# Altium PCB HIVE_SIGHT.PcbDoc (part 1 of 4) (continued)
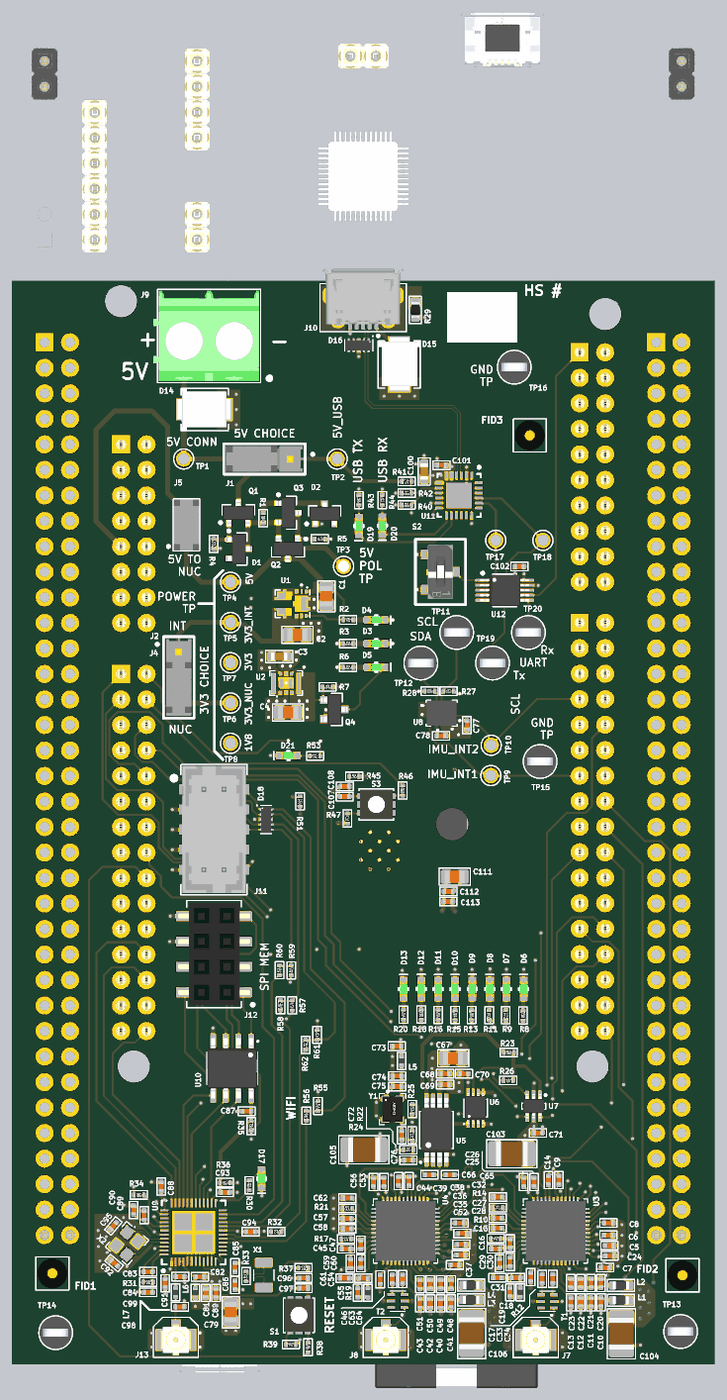
[diagram p7: 3D render of the assembled board from above, using the file's embedded part models]
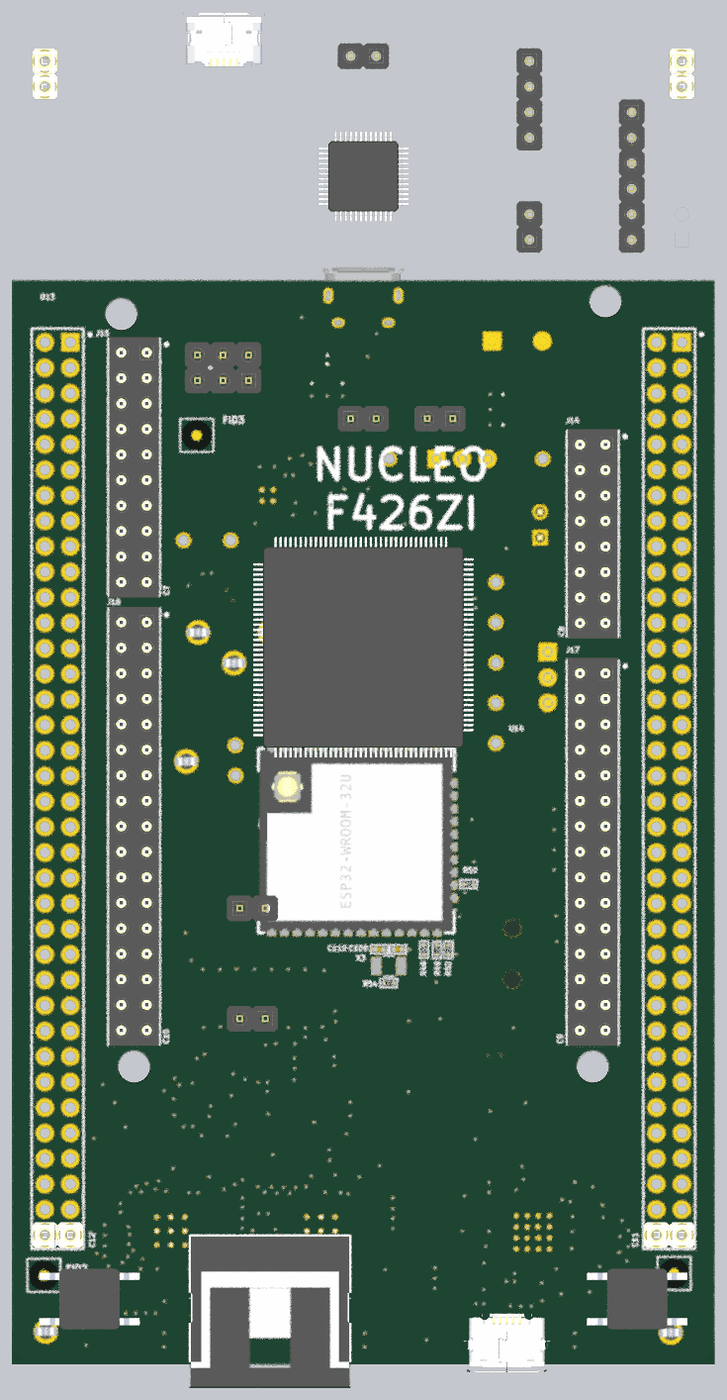
[diagram p8: 3D render of the assembled board from below, using the file's embedded part models]

## Layer stack, top to bottom
Top Solder: solder mask 0.3937, Solder Resist, Dk 3.5
Top: signal copper 1.378
Dielectric 1: prepreg 4.8031, PP-006, Dk 4.2
GND: plane copper 1.378, net GND
Dielectric 2: core 45.2756, Core-009, Dk 4.2
PWR: plane copper 1.378, net (Multiple Nets)
Dielectric 3: prepreg 4.8031, PP-006, Dk 4.2
Bottom: signal copper 1.378
Bottom Solder: solder mask 0.3937, Solder Resist, Dk 3.5

## Board outline
2.34,79.16 ccw(c81.08,79.16) 81.08,0.42 80.92,0.38 2679.35,0.38 2679.35,0.58 ccw(c2679.35,79.32) 2758.09,79.32 2758.09,79.12 2758.09,4167.09 ccw(c2679.35,4167.09) 2679.35,4245.83 2679.35,4246.04 80.93,4246.04 ccw(c80.93,4167.3) 2.19,4167.3

## Design rules (kind name [scope] priority, off if disabled: settings)
BoardOutlineClearance BoardOutlineClearance_NUCLEO [HasFootprint('MOD_NUCLEO-F429ZI')] p1: gap=15 ignorepadtopadclearanceinfootprint=FALSE
BoardOutlineClearance BoardOutlineClearance-Silk [(OnLayer('Bottom Overlay')) OR (OnLayer('Top Overlay'))] p2: gap=3.94 ignorepadtopadclearanceinfootprint=FALSE
BoardOutlineClearance BoardOutlineClearance-Fiducials [InComponentClass('Fiducials')] p3: gap=3.94 ignorepadtopadclearanceinfootprint=FALSE
BoardOutlineClearance BoardOutlineClearance-MouseBites [InComponentClass('MouseBites')] p4: gap=10 ignorepadtopadclearanceinfootprint=FALSE except(0: Arc-SplitContinuation Track-SplitContinuation SMDPad-SplitContinuation THPad-OutlineEdge THPad-CavityEdge THPad-CutoutEdge THPad-SplitBarrior THPad-SplitContinuation Via-SplitContinuation Fill-SplitContinuation Poly-SplitContinuation Region-OutlineEdge Region-CavityEdge Region-CutoutEdge Region-SplitBarrior Region-SplitContinuation Text-SplitContinuation; 20: Arc-OutlineEdge Track-OutlineEdge SMDPad-OutlineEdge Via-OutlineEdge Fill-OutlineEdge Poly-OutlineEdge Text-OutlineEdge)
BoardOutlineClearance [All] p5: gap=19.68 ignorepadtopadclearanceinfootprint=FALSE
Clearance Clearance_1 [IsVia and (NOT InAnyComponent) vs IsSMTPin Or IsThruPin  or IsVia] p1: gap=0 ignorepadtopadclearanceinfootprint=FALSE except(2: SMDPad-Via THPad-Via; 6: Via-Via)
Clearance [All] p2: gap=5 ignorepadtopadclearanceinfootprint=FALSE
ComponentClearance [All] p1: gap=4 collisioncheckmode=3 verticalgap=4 showdistances=FALSE
DiffPairsRouting [All] p1: maxlimit=8 minlimit=8 mostfreqgap=8 toplayer_minwidth=4 toplayer_maxwidth=4 toplayer_prefwidth=4 bottomlayer_minwidth=4 bottomlayer_maxwidth=4 bottomlayer_prefwidth=4 maxuncoupledlength=500
HoleSize [All] p1: absolutevalues=TRUE maxlimit=236.22 minlimit=9.84 maxpercent=80.000 minpercent=20.000
HoleToHoleClearance HoleToHoleClearance_1 [InAnyComponent vs InAnyComponent] p1: gap=8 allowstackedmicrovias=TRUE
HoleToHoleClearance HoleToHoleClearance_Via [IsVia vs IsVia] p2: gap=18 allowstackedmicrovias=TRUE
HoleToHoleClearance [All] p3: gap=18 allowstackedmicrovias=TRUE
MatchedLengths MatchedLengths_CLK [InNetClass('CLK_DW')] p1: tolerance=0.98 checknetsindiffpair=FALSE checkdiffpairvsdiffpair=TRUE checkxsignals=TRUE checkothers=TRUE
MatchedLengths DiffMatching_32k [InDifferentialPair('32K_X')] p2: tolerance=9.84 checknetsindiffpair=TRUE checkdiffpairvsdiffpair=FALSE checkxsignals=FALSE checkothers=FALSE
MatchedLengths DiffMatching_WithinPair [Not InDifferentialPair('32K_X')] p3: tolerance=1 checknetsindiffpair=TRUE checkdiffpairvsdiffpair=FALSE checkxsignals=FALSE checkothers=FALSE
MinimumSolderMaskSliver [All] p1: minsoldermaskwidth=3.94
PlaneClearance [All] p1: clearance=8
PlaneConnect [All] p1: planeconnectstyle=Direct reliefexpansion=20 reliefentries=4 reliefconductorwidth=10 reliefairgap=10
PolygonConnect [All] p1: connectstyle=Direct reliefconductorwidth=10 reliefentries=4 polygonreliefangle="90 Angle" airgapwidth=10
RoutingVias [All] p1: holewidth=19.68 width=39.37 viastyle="Through Hole" minholewidth=11.81 minwidth=19.68 maxholewidth=11.81 maxwidth=19.68
SilkToSilkClearance [All] p1: silktosilkclearance=3.94
SilkToSolderMaskClearance [IsPad] p1: minsilkscreentomaskgap=0.39 clearancetoexposedcopper=FALSE
SolderMaskExpansion SolderMaskExpansion_1 [IsVia AND (NOT InAnyComponent)] p1: expansion=4 istentingtop=TRUE
SolderMaskExpansion [All] p2: expansion=2 istentingtop=FALSE
Width [All] p1: maxlimit=1000 minlimit=8 preferedwidth=8 minimp=50.000000 maximp=50.000000 favimp=50.000000
21 further rules are at their usual default settings.

## Classes and differential pairs
component class HIVE_SIGHT_TITLE: FID1 FID2 FID3
net class CLK_DW: NetC65_1 NetC66_1
component class WROOM: C107 C108 C109 C110 C111 C112 C113 D21 R45 R46 R47 R48 R49 R50 R51 R52 R53 R54 S3 U14 X3
component class USB: C100 C101 C102 D19 D20 R40 R41 R42 R43 R44 S2 TP17 TP18 TP19 TP20 U11 U12
component class WIRELESS: C79 C80 C81 C82 C83 C84 C85 C86 C87 C88 C89 C90 C91 C92 C93 C94 C95 C96 C97 C98 C99 D17 D18 J11 J12 J13 L6 L7 R30 R31 R32 R33 R34 R35 R36 R37 R38 R39 R55 R56 R57 R58 R59 R60 R61 R62 S1 U9 U10 X1 X2
component class DECAWAVE: C5 C6 C7 C8 C9 C10 C11 C12 C13 C14 C15 C16 C17 C18 C19 C20 C21 C22 C23 C24 C25 C26 C27 C28 C29 C30 C31 C32 C33 C34 C103 C104 D6 D7 D8 D9 J7 L1 L2 R8 R9 R10 R11 R12 R13 R14 T1 U3
component class NUCLEO: J14 J15 J16 J17 U13
component class MISC: C65 C66 C67 C68 C69 C70 C71 C72 C73 C74 C75 C76 C77 C78 L5 R22 R23 R24 R25 R26 R27 R28 TP9 TP10 TP11 TP12 U5 U6 U7 U8 Y1
component class TOP: D14 D15 D16 J9 J10 MEC? R29 TP13 TP14 TP15 TP16
component class POWER: C1 C2 C3 C4 D1 D2 D3 D4 D5 J1 J2 J3 J4 J5 J6 Q1 Q2 Q3 Q4 R1 R2 R3 R4 R5 R6 R7 TP1 TP2 TP3 TP4 TP5 TP6 TP7 TP8 U1 U2
component class DECAWAVE: C35 C36 C37 C38 C39 C40 C41 C42 C43 C44 C45 C46 C47 C48 C49 C50 C51 C52 C53 C54 C55 C56 C57 C58 C59 C60 C61 C62 C63 C64 C105 C106 D10 D11 D12 D13 J8 L3 L4 R15 R16 R17 R18 R19 R20 R21 T2 U4
differential pair W_32K_X: +W_32K_X_P -W_32K_X_N
differential pair XTAL: +XTAL_P -XTAL_N
differential pair USB_D: +USB_D_P -USB_D_N
differential pair RFB: +RFB_P -RFB_N
differential pair RFA: +RFA_P -RFA_N
differential pair 32K_X: +32K_X_P -32K_X_N

## Components (designator, comment, footprint, x,y, rotation, side; value= is the part's Value field where it differs from the comment)
C1 "C2012X7R1E475K125AE" CAP_CER_0805 1235.6,3009.42 r90 top value=4.7uF
C2 "GRM21BR61C106KE15K" CAP_CER_0805 1121.93,2859.16 r180 top value=10uF
C3 "CL10A475MA8NQNC" CAP_CER_0603 1050.2,2773.62 r180 top value=4.7uF
C4 "GRM21BR61C106KE15K" CAP_CER_0805 1084.65,2554.13 r0 top value=10uF
C5 "CGA2B3X7R1E104K050BB" CAP_CER_0402 2345.87,464.41 r0 top value=100nF
C6 "CGA2B3X7R1E104K050BB" CAP_CER_0402 2341.98,504.8 r0 top value=100nF
C7 "CGA2B3X7R1E104K050BB" CAP_CER_0402 2329.92,377.93 r0 top value=100nF
C8 "CGA2B3X7R1E104K050BB" CAP_CER_0402 2342.45,552.93 r0 top value=100nF
C9 "CGA2B3X7R1E104K050BB" CAP_CER_0402 2147.95,720.97 r90 top value=100nF
C10 "CGA2B3X7R1E104K050BB" CAP_CER_0402 2313.11,242.01 r90 top value=100nF
C11 "CL05B103KB5NFNC" CAP_CER_0402 2273.58,242.01 r90 top value=10nF
C12 "CC0402KRX7R9BB102" CAP_CER_0402 2233.48,242.01 r90 top value=1nF
C13 "CC0402JRNPO9BN120" CAP_CER_0402 2194.75,242.01 r90 top value=12pF
C14 "CGA2B3X7R1E104K050BB" CAP_CER_0402 2107.02,720.83 r90 top value=100nF
C15 "CC0402JRNPO9BN270" CAP_CER_0402 1899.86,451.76 r180 top value=27pF
C16 "C0402C129C5GACTU" CAP_CER_0402 1956.79,473.19 r270 top value=1.2pF
C17 "CGA2B3X7R1E104K050BB" CAP_CER_0402 2037.3,340.97 r270 top value=100nF
C18 "GRM1555C1H180GA01D" CAP_CER_0402 1979.85,338.35 r180 top value=18pF
C19 "CC0402KRX7R9BB821" CAP_CER_0402 1955.99,281 r90 top value=820pF
C20 "CGA2B3X7R1E104K050BB" CAP_CER_0402 2312.82,317.05 r270 top value=100nF
C21 "CL05B103KB5NFNC" CAP_CER_0402 2273.29,317.41 r270 top value=10nF
C22 "CC0402KRX7R9BB102" CAP_CER_0402 2233.19,317.22 r270 top value=1nF
C23 "CC0402JRNPO9BN120" CAP_CER_0402 2194.46,317.41 r270 top value=12pF
C24 "CGA2B3X7R1E104K050BB" CAP_CER_0402 2346.9,424.37 r0 top value=100nF
C25 "CGA2B3X7R1E104K050BB" CAP_CER_0402 2050.59,713.3 r90 top value=100nF
C26 "CGA2B3X7R1E104K050BB" CAP_CER_0402 2009.63,713.3 r90 top value=100nF
C27 "CGA2B3X7R1E104K050BB" CAP_CER_0402 1907.48,572.17 r180 top value=100nF
C28 "CGA2B3X7R1E104K050BB" CAP_CER_0402 1907.48,532.31 r180 top value=100nF
C29 "CGA2B3X7R1E104K050BB" CAP_CER_0402 1915.43,394.88 r270 top value=100nF
C30 "CGA2B3X7R1E104K050BB" CAP_CER_0402 1956.79,399.86 r270 top value=100nF
C31 "CGA2B3X7R1E104K050BB" CAP_CER_0402 1906.73,338.35 r180 top value=100nF
C32 "CC0402JRNPO9BN101" CAP_CER_0402 1908.7,654.51 r0 top value=100pF
C33 "CC0402JRNPO9BN120" CAP_CER_0402 2082.32,333.78 r90 top value=12pF
C34 "CC0402JRNPO9BN120" CAP_CER_0402 2124.02,333.66 r90 top value=12pF
C35 "CGA2B3X7R1E104K050BB" CAP_CER_0402 1764.9,468.84 r0 top value=100nF
C36 "CGA2B3X7R1E104K050BB" CAP_CER_0402 1769.24,511.67 r0 top value=100nF
C37 "CGA2B3X7R1E104K050BB" CAP_CER_0402 1739.67,388.44 r0 top value=100nF
C38 "CGA2B3X7R1E104K050BB" CAP_CER_0402 1757.77,552.82 r0 top value=100nF
C39 "CGA2B3X7R1E104K050BB" CAP_CER_0402 1559.18,716.89 r90 top value=100nF
C40 "CGA2B3X7R1E104K050BB" CAP_CER_0402 1684.21,237.73 r90 top value=100nF
C41 "CL05B103KB5NFNC" CAP_CER_0402 1724.93,238.22 r90 top value=10nF
C42 "CC0402KRX7R9BB102" CAP_CER_0402 1643.66,237.9 r90 top value=1nF
C43 "CC0402JRNPO9BN120" CAP_CER_0402 1602.78,237.9 r90 top value=12pF
C44 "CGA2B3X7R1E104K050BB" CAP_CER_0402 1518.25,716.89 r90 top value=100nF
C45 "CC0402JRNPO9BN270" CAP_CER_0402 1312.9,451.68 r180 top value=27pF
C46 "CGA2B3X7R1E104K050BB" CAP_CER_0402 1446.63,331.85 r270 top value=100nF
C47 "C0402C129C5GACTU" CAP_CER_0402 1370.58,467.96 r270 top value=1.2pF
C48 "CGA2B3X7R1E104K050BB" CAP_CER_0402 1725.1,312.89 r270 top value=100nF
C49 "CL05B103KB5NFNC" CAP_CER_0402 1684.21,312.63 r270 top value=10nF
C50 "CC0402KRX7R9BB102" CAP_CER_0402 1643.45,312.76 r270 top value=1nF
C51 "CC0402JRNPO9BN120" CAP_CER_0402 1602.78,312.38 r270 top value=12pF
C52 "CGA2B3X7R1E104K050BB" CAP_CER_0402 1762.61,427.81 r0 top value=100nF
C53 "CGA2B3X7R1E104K050BB" CAP_CER_0402 1461.49,713.3 r90 top value=100nF
C54 "GRM1555C1H180GA01D" CAP_CER_0402 1381.03,336.49 r180 top value=18pF
C55 "CC0402KRX7R9BB821" CAP_CER_0402 1358.57,279.64 r90 top value=820pF
C56 "CGA2B3X7R1E104K050BB" CAP_CER_0402 1420.53,713.3 r90 top value=100nF
C57 "CGA2B3X7R1E104K050BB" CAP_CER_0402 1317.25,569.92 r180 top value=100nF
C58 "CGA2B3X7R1E104K050BB" CAP_CER_0402 1317.91,530.56 r180 top value=100nF
C59 "CGA2B3X7R1E104K050BB" CAP_CER_0402 1329.8,394.02 r270 top value=100nF
C60 "CGA2B3X7R1E104K050BB" CAP_CER_0402 1370.58,394.66 r270 top value=100nF
C61 "CGA2B3X7R1E104K050BB" CAP_CER_0402 1306.73,336.49 r180 top value=100nF
C62 "CC0402JRNPO9BN101" CAP_CER_0402 1317.9,650.36 r0 top value=100pF
C63 "CC0402JRNPO9BN120" CAP_CER_0402 1494.58,332.55 r90 top value=12pF
C64 "CC0402JRNPO9BN120" CAP_CER_0402 1534.78,332.6 r90 top value=12pF
C65 "CL05B103KB5NFNC" CAP_CER_0402 1720.47,742.13 r180 top value=10nF
C66 "CL05B103KB5NFNC" CAP_CER_0402 1639.76,742.13 r0 top value=10nF
C67 "GRM21BR61C106KE15K" CAP_CER_0805 1733,1198.82 r180 top value=10uF
C68 "CL05A105KL5NRNC" CAP_CER_0402 1701.37,1138.54 r180 top value=1uF
C69 "CGA2B3X7R1E104K050BB" CAP_CER_0402 1701.37,1095.72 r180 top value=100nF
C70 "CGA2B3X7R1E104K050BB" CAP_CER_0402 1775.21,1138.54 r0 top value=100nF
C71 "CGA2B3X7R1E104K050BB" CAP_CER_0402 2066.11,905.81 r0 top value=100nF
C72 "CC0402KRX7R9BB102" CAP_CER_0402 1531.17,896.58 r90 top value=1nF
C73 "CL05A105KL5NRNC" CAP_CER_0402 1511.35,1246.09 r0 top value=1uF
C74 "CGA2B3X7R1E104K050BB" CAP_CER_0402 1513.16,1128.99 r0 top value=100nF
C75 "CL05B103KB5NFNC" CAP_CER_0402 1513.16,1087.48 r0 top value=10nF
C76 "CC0402CRNPO9BN3R0" CAP_CER_0402 1556.87,799.21 r0 top value=3pF
C77 "CGA2B3X7R1E104K050BB" CAP_CER_0402 1786.93,2504.66 r270 top value=100nF
C78 "CGA2B3X7R1E104K050BB" CAP_CER_0402 1685.56,2462.47 r0 top value=100nF
C79 "GRM21BR61C106KE15K" CAP_CER_0805 860.24,202.76 r90 top value=10uF
C80 "CL05A105KL5NRNC" CAP_CER_0402 802.17,278.54 r270 top value=1uF
C81 "CGA2B3X7R1E104K050BB" CAP_CER_0402 761.81,278.54 r270 top value=100nF
C82 "CGA2B3X7R1E104K050BB" CAP_CER_0402 738.87,341.81 r180 top value=100nF
C83 "C0402C332K5RACAUTO" CAP_CER_0402 536.11,361.99 r180 top value=3.3nF
C84 "CL05B103KB5NFNC" CAP_CER_0402 536.11,280.89 r0 top value=10nF
C85 "CC0402JRNPO9BN130" CAP_CER_0402 876.77,379.34 r270 top value=13pF
C86 "CC0402JRNPO9BN130" CAP_CER_0402 876.77,309.34 r90 top value=13pF
C87 "CGA2B3X7R1E104K050BB" CAP_CER_0402 922.36,990.96 r0 top value=100nF
C88 "CGA2B3X7R1E104K050BB" CAP_CER_0402 587.6,695.65 r270 top value=100nF
C89 "CC0402JRNPO9BN101" CAP_CER_0402 520.48,583.79 r270 top value=100pF
C90 "CL05A105KL5NRNC" CAP_CER_0402 478.95,603.76 r270 top value=1uF
C91 "CGA2B3X7R1E104K050BB" CAP_CER_0402 603.1,316.08 r90 top value=100nF
C92 "CC0402DRNPO9BN8R0" CAP_CER_0402 402.56,395.67 r320 top value=8pF
C93 "CL05A105KL5NRNC" CAP_CER_0402 837.48,672.99 r180 top value=1uF
C94 "CGA2B3X7R1E104K050BB" CAP_CER_0402 937.98,518.83 r180 top value=100nF
C95 "CC0402DRNPO9BN8R0" CAP_CER_0402 399.61,541.34 r50 top value=8pF
C96 "CL05A105KL5NRNC" CAP_CER_0402 1145.64,336.71 r0 top value=1uF
C97 "CGA2B3X7R1E104K050BB" CAP_CER_0402 1145.64,296.98 r0 top value=100nF
C98 "CC0402CRNPO9BN1R8" CAP_CER_0402 660.5,224.26 r180 top value=1.8pF
C99 "CC0402BRNPO9BN2R4" CAP_CER_0402 662.04,342.84 r180 top value=2.4pF
C100 "CL10A475MA8NQNC" CAP_CER_0603 1619.15,3499.07 r270 top value=4.7uF
C101 "CGA2B3X7R1E104K050BB" CAP_CER_0402 1687.01,3523.62 r0 top value=100nF
C102 "CGA2B3X7R1E104K050BB" CAP_CER_0402 1993.28,3126.94 r180 top value=100nF
C103 "C3225X7R1E226M250AB" CAP_CER_1210 1962.62,824.19 r0 top value=22uF
C104 "C3225X7R1E226M250AB" CAP_CER_1210 2393.25,118.1 r90 top value=22uF
C105 "C3225X7R1E226M250AB" CAP_CER_1210 1382.76,839.99 r0 top value=22uF
C106 "C3225X7R1E226M250AB" CAP_CER_1210 1805.62,119.57 r90 top value=22uF
C107 "CL05A105KL5NRNC" CAP_CER_0402 1307.31,2224.36 r0 top value=1uF
C108 "CGA2B3X7R1E104K050BB" CAP_CER_0402 1307.65,2264.52 r0 top value=100nF
C109 "CC0402JRNPO9BN130" CAP_CER_0402 1244.21,1625.85 r0 bottom value=13pF
C110 "CC0402JRNPO9BN130" CAP_CER_0402 1317.38,1625.85 r180 bottom value=13pF
C111 "GRM21BR61C106KE15K" CAP_CER_0805 1739.05,1910.58 r180 top value=10uF
C112 "CL05A105KL5NRNC" CAP_CER_0402 1714.78,1853.03 r180 top value=1uF
C113 "CGA2B3X7R1E104K050BB" CAP_CER_0402 1714,1813.49 r180 top value=100nF
D1 "BZX84-B3V6,215" DIO_ZENER_BZX84-B3V6,215 892.1,3195.42 r0 top value=3.6V
D2 "BZX84-B3V6,215" DIO_ZENER_BZX84-B3V6,215 1229,3333 r90 top value=3.6V
D3 "SML-D12P8WT86" LED_SML-D12P8WT86 1430.87,2824.48 r180 top value="560 nm (green)"
D4 "SML-D12P8WT86" LED_SML-D12P8WT86 1430.87,2917.32 r180 top value="560 nm (green)"
D5 "SML-D12P8WT86" LED_SML-D12P8WT86 1430.87,2731.64 r180 top value="560 nm (green)"
D6 "SML-D12P8WT86" LED_SML-D12P8WT86 2009.77,1470.08 r270 top value="560 nm (green)"
D7 "SML-D12P8WT86" LED_SML-D12P8WT86 1941.85,1469.69 r270 top value="560 nm (green)"
D8 "SML-D12P8WT86" LED_SML-D12P8WT86 1877.02,1469.69 r270 top value="560 nm (green)"
D9 "SML-D12P8WT86" LED_SML-D12P8WT86 1808.04,1470.44 r270 top value="560 nm (green)"
D10 "SML-D12P8WT86" LED_SML-D12P8WT86 1740.71,1469.69 r270 top value="560 nm (green)"
D11 "SML-D12P8WT86" LED_SML-D12P8WT86 1674.03,1469.69 r270 top value="560 nm (green)"
D12 "SML-D12P8WT86" LED_SML-D12P8WT86 1607.79,1470.44 r270 top value="560 nm (green)"
D13 "SML-D12P8WT86" LED_SML-D12P8WT86 1537.93,1470.08 r270 top value="560 nm (green)"
D14 "SMBJ5.0D-M3/H" TVS_SMBJ5.0D-M3/H 756,3742 r180 top value=5V
D15 "SMBJ5.0D-M3/H" TVS_SMBJ5.0D-M3/H 1521.14,3920.75 r90 top value=5V
D16 "DT1140-04LP-7" TVS_DATA_DT1140-04LP-7 1362.67,3993.88 r270 top value="5.5V @ 1mA (Reverse Standoff)"
D17 "SML-D12P8WT86" LED_SML-D12P8WT86 981.3,726.38 r90 top value="560 nm (green)"
D18 "DT1140-04LP-7" TVS_DATA_DT1140-04LP-7 998.72,2134.84 r0 top value="5.5V @ 1mA (Reverse Standoff)"
D19 "SML-D12P8WT86" LED_SML-D12P8WT86 1362.91,3285.63 r90 top value="560 nm (green)"
D20 "SML-D12P8WT86" LED_SML-D12P8WT86 1455,3286.99 r90 top value="560 nm (green)"
D21 "SML-D12P8WT86" LED_SML-D12P8WT86 1086.31,2385.18 r0 top value="560 nm (green)"
FID1 "FID 1MM" FID_CIRCLE_1MM 160.15,355.1 r0 top
FID2 "FID 1MM" FID_CIRCLE_1MM 2633.08,347.52 r0 top
FID3 "FID 1MM" FID_CIRCLE_1MM 2033.71,3640.54 r0 top
J1 "TSW-103-07-G-S" CON_HDR_TSW-103-07-G-S 992.14,3548.3 r180 top value="3 POS"
J2 "TSW-103-07-G-S" CON_HDR_TSW-103-07-G-S 656,2691.64 r270 top value="3 POS"
J3 "SNT-100-BK-T-H" CON_JMP_SNT-100-BK-T-H 942.78,3548.76 r180 top
J4 "SNT-100-BK-T-H" CON_JMP_SNT-100-BK-T-H 656,2652.53 r270 top
J5 "CON_HDR_1x2" CON_HDR_1X2 686,3290 r180 top
J6 "SNT-100-BK-T-H" CON_JMP_SNT-100-BK-T-H 686,3290 r270 top
J7 "128-0711-201" CON_UMC_128-0711-201 2056.9,94.24 r180 top value="50 Ohm, 6 GHz"
J8 "128-0711-201" CON_UMC_128-0711-201 1468.51,94.8 r180 top value="50 Ohm, 6 GHz"
J9 "1935161" "CON_ 1935161" 873.83,4010.59 r180 top
J10 "10118194-0001LF" CON_USB_10118194-0001LF 1379.87,4188.57 r180 top value="USB - Micro B"
J11 "0878321014" CON_0878321014 794.42,2095.53 r270 top
J12 "M20-7810445" CON_HDR_M20-7810445R 794.42,1606.87 r90 top
J13 "128-0711-201" CON_UMC_128-0711-201 644.68,94.8 r180 top value="50 Ohm, 6 GHz"
J14 "PREC008DAAN-RC" CON_HDR_NUCLEO_F429ZI_C008DAAN-RC 479.63,3255.33 r180 bottom
J15 "PREC010DAAN-RC" CON_HDR_NUCLEO_F429ZI_C010DAAN-RC 2279.63,3516.33 r180 bottom
J16 "PREC017DAAN-RC" CON_HDR_NUCLEO_F429ZI_C017DAAN-RC 2279.63,2106.33 r180 bottom
J17 "PREC015DAAN-RC" CON_HDR_NUCLEO_F429ZI_C015DAAN-RC 479.63,2005.33 r180 bottom
L1 "BLM15AG601SN1D" FER_0603 2390.97,249.77 r180 top value=600R@100Mhz
L2 "BLM15AG601SN1D" FER_0603 2391.34,308.11 r180 top value=600R@100Mhz
L3 "BLM15AG601SN1D" FER_0603 1803.48,251.66 r180 top value=600R@100Mhz
L4 "BLM15AG601SN1D" FER_0603 1803.83,309.3 r180 top value=600R@100Mhz
L5 "BLM15BB220SN1D" FER_0402 1530.66,1188 r270 top value=22R@100Mhz
L6 "LQG15HS2N0S02D" FER_0402 721.37,279.03 r90 top value=2nH
L7 "LQG15WZ2N8S02D" FER_0402 643.77,281.01 r90 top value=2.8nH
Q1 "SI2369DS-T1-GE3" TRX_PMOS_SI2369DS-T1-GE3 890.13,3337.16 r90 top
Q2 "SI2369DS-T1-GE3" TRX_PMOS_SI2369DS-T1-GE3 1084.79,3195.91 r270 top
Q3 "SI2369DS-T1-GE3" TRX_PMOS_SI2369DS-T1-GE3 1086.13,3337.44 r0 top
Q4 "BSS138LT1G" TRX_NMOS_BSS138LT1G 1266.7,2565.99 r0 top
R1 "RC0402FR-071KL" RES_0402 987.46,3315.92 r90 top value=1k
R2 "ERJ-2RKF4020X" RES_0402 1320.73,2917.32 r180 top value=402R
R3 "RC0402FR-07150RL" RES_0402 1320.73,2824.48 r0 top value=150R
R4 "RC0402FR-071KL" RES_0402 793.07,3215.32 r270 top value=1k
R5 "RC0402FR-071KL" RES_0402 1210.07,3234.65 r0 top value=1k
R6 "RC0402FR-07150RL" RES_0402 1320.73,2731.64 r0 top value=150R
R7 "RC0402FR-0710KL" RES_0402 1240.33,2654.64 r0 top value=10k
R8 "RC0402FR-07150RL" RES_0402 2007.19,1366.36 r270 top value=150R
R9 "RC0402FR-07150RL" RES_0402 1939.27,1367.35 r270 top value=150R
R10 "RC0402FR-0716KL" RES_0402 1899.86,491.99 r180 top value=16k
R11 "RC0402FR-07150RL" RES_0402 1874.44,1367.35 r270 top value=150R
R12 "RC0402FR-07270RL" FER_0402 1996.24,281 r90 top value=270
R13 "RC0402FR-07150RL" RES_0402 1805.46,1368.1 r270 top value=150R
R14 "RC0402FR-0711KL" RES_0402 1908.18,612.91 r0 top value=11k
R15 "RC0402FR-07150RL" RES_0402 1740.71,1368.1 r270 top value=150R
R16 "RC0402FR-07150RL" RES_0402 1674.03,1368.8 r270 top value=150R
R17 "RC0402FR-0716KL" RES_0402 1312.94,490.6 r180 top value=16k
R18 "RC0402FR-07150RL" RES_0402 1607.79,1370.23 r270 top value=150R
R19 "RC0402FR-07270RL" FER_0402 1398.73,279.13 r90 top value=270
R20 "RC0402FR-07150RL" RES_0402 1537.93,1369.34 r270 top value=150R
R21 "RC0402FR-0711KL" RES_0402 1317.67,610.18 r0 top value=11k
R22 "RC0402FR-0720KL" RES_0402 1572.19,896.58 r90 top value=20k
R23 "RC0402FR-070RL" RES_0402 1951.56,1221.46 r180 top value=0R
R24 "RC0402FR-0720KL" RES_0402 1557.25,839.93 r0 top value=20k
R25 "RC0402FR-0710KL" RES_0402 1572.19,999.57 r270 top value=10k
R26 "RC0402FR-070RL" RES_0402 1948.99,1111.82 r180 top value=0R
R27 "RC0402FR-071KL" RES_0402 1714.92,2637.65 r180 top value=1k
R28 "RC0402FR-071KL" RES_0402 1641.02,2637.65 r0 top value=1k
R29 "RC0603JR-070RL" RES_0603 1584.63,4132.48 r90 top value=0R
R30 "RC0402FR-07150RL" RES_0402 933.07,700.79 r270 top value=150R
R31 "RC0402FR-0720KL" RES_0402 536.11,321.44 r180 top value=20k
R32 "RC0402FR-0710KL" RES_0402 1039.14,518.83 r0 top value=10k
R33 "RC0402FR-076R2L" RES_0402 920.08,344.34 r90 top value=6R2
R34 "RC0402FR-07499RL" RES_0402 499.69,663.07 r180 top value=499R
R35 "RC0402FR-0710KL" RES_0402 940.67,932.85 r90 top value=10k
R36 "RC0402FR-076R2L" RES_0402 837.48,711.51 r180 top value=6R2
R37 "RC0402FR-0710KL" RES_0402 1145.64,377.06 r180 top value=10k
R38 "RC0402FR-071KL" RES_0402 1163.14,65.63 r270 top value=1k
R39 "RC0402FR-07150RL" RES_0402 1096.21,76.53 r180 top value=150R
R40 "RC0402FR-071KL" RES_0402 1550.6,3368.2 r0 top value=1k
R41 "RC0402FR-0710KL" RES_0402 1550.69,3460.39 r180 top value=10k
R42 "RC0402FR-0720KL" RES_0402 1550.69,3414.56 r0 top value=20k
R43 "RC0402FR-07150RL" RES_0402 1362.91,3387.01 r270 top value=150R
R44 "RC0402FR-07150RL" RES_0402 1455,3387.01 r270 top value=150R
R45 "RC0402FR-0710KL" RES_0402 1344.38,2303.64 r0 top value=10k
R46 "RC0402FR-071KL" RES_0402 1535,2248.26 r90 top value=1k
R47 "RC0402FR-07150RL" RES_0402 1318.01,2139.05 r90 top value=150R
R48 "PNM0402E1000BST1" RES_0402 1141.22,1624.57 r270 bottom value=100R
R49 "PNM0402E1000BST1" RES_0402 1090.99,1623.47 r270 bottom value=100R
R50 "PNM0402E1000BST1" RES_0402 966.33,1881.5 r180 bottom value=100R
R51 "PNM0402E1000BST1" RES_0402 1132.01,2205.64 r270 top value=100R
R52 "RC0402FR-0710KL" RES_0402 1045.72,1623.47 r90 bottom value=10k
R53 "RC0402FR-07150RL" RES_0402 1191.25,2383.94 r0 top value=150R
R54 "RC0402FR-076R2L" RES_0402 1280.33,1493.55 r180 bottom value=6R2
R55 "RC0402FR-070RL" RES_0402 1201.85,1011.65 r270 top value=0R
R56 "RC0402FR-070RL" RES_0402 1156.74,973.8 r90 top value=0R
R57 "RC0402FR-070RL" RES_0402 1101,1405.84 r90 top value=0R
R58 "RC0402FR-070RL" RES_0402 1055.66,1406.75 r90 top value=0R
R59 "RC0402FR-070RL" RES_0402 1097.63,1543.43 r90 top value=0R
R60 "RC0402FR-070RL" RES_0402 1051.89,1543.66 r90 top value=0R
R61 "RC0402FR-070RL" RES_0402 1199.41,1290.34 r270 top value=0R
R62 "RC0402FR-070RL" RES_0402 1154.03,1251.26 r90 top value=0R